# Altium PCB STM32.PcbDoc (part 1 of 2)
Units mil, origin at the board's own origin, x right, y up, seen from the top; angles counter-clockwise.
Board outline 3937.01 x 3937.01 mil, 2 copper layers (TOP, BOTTOM); 127 components, 126 nets, 543 pads, 253 vias.
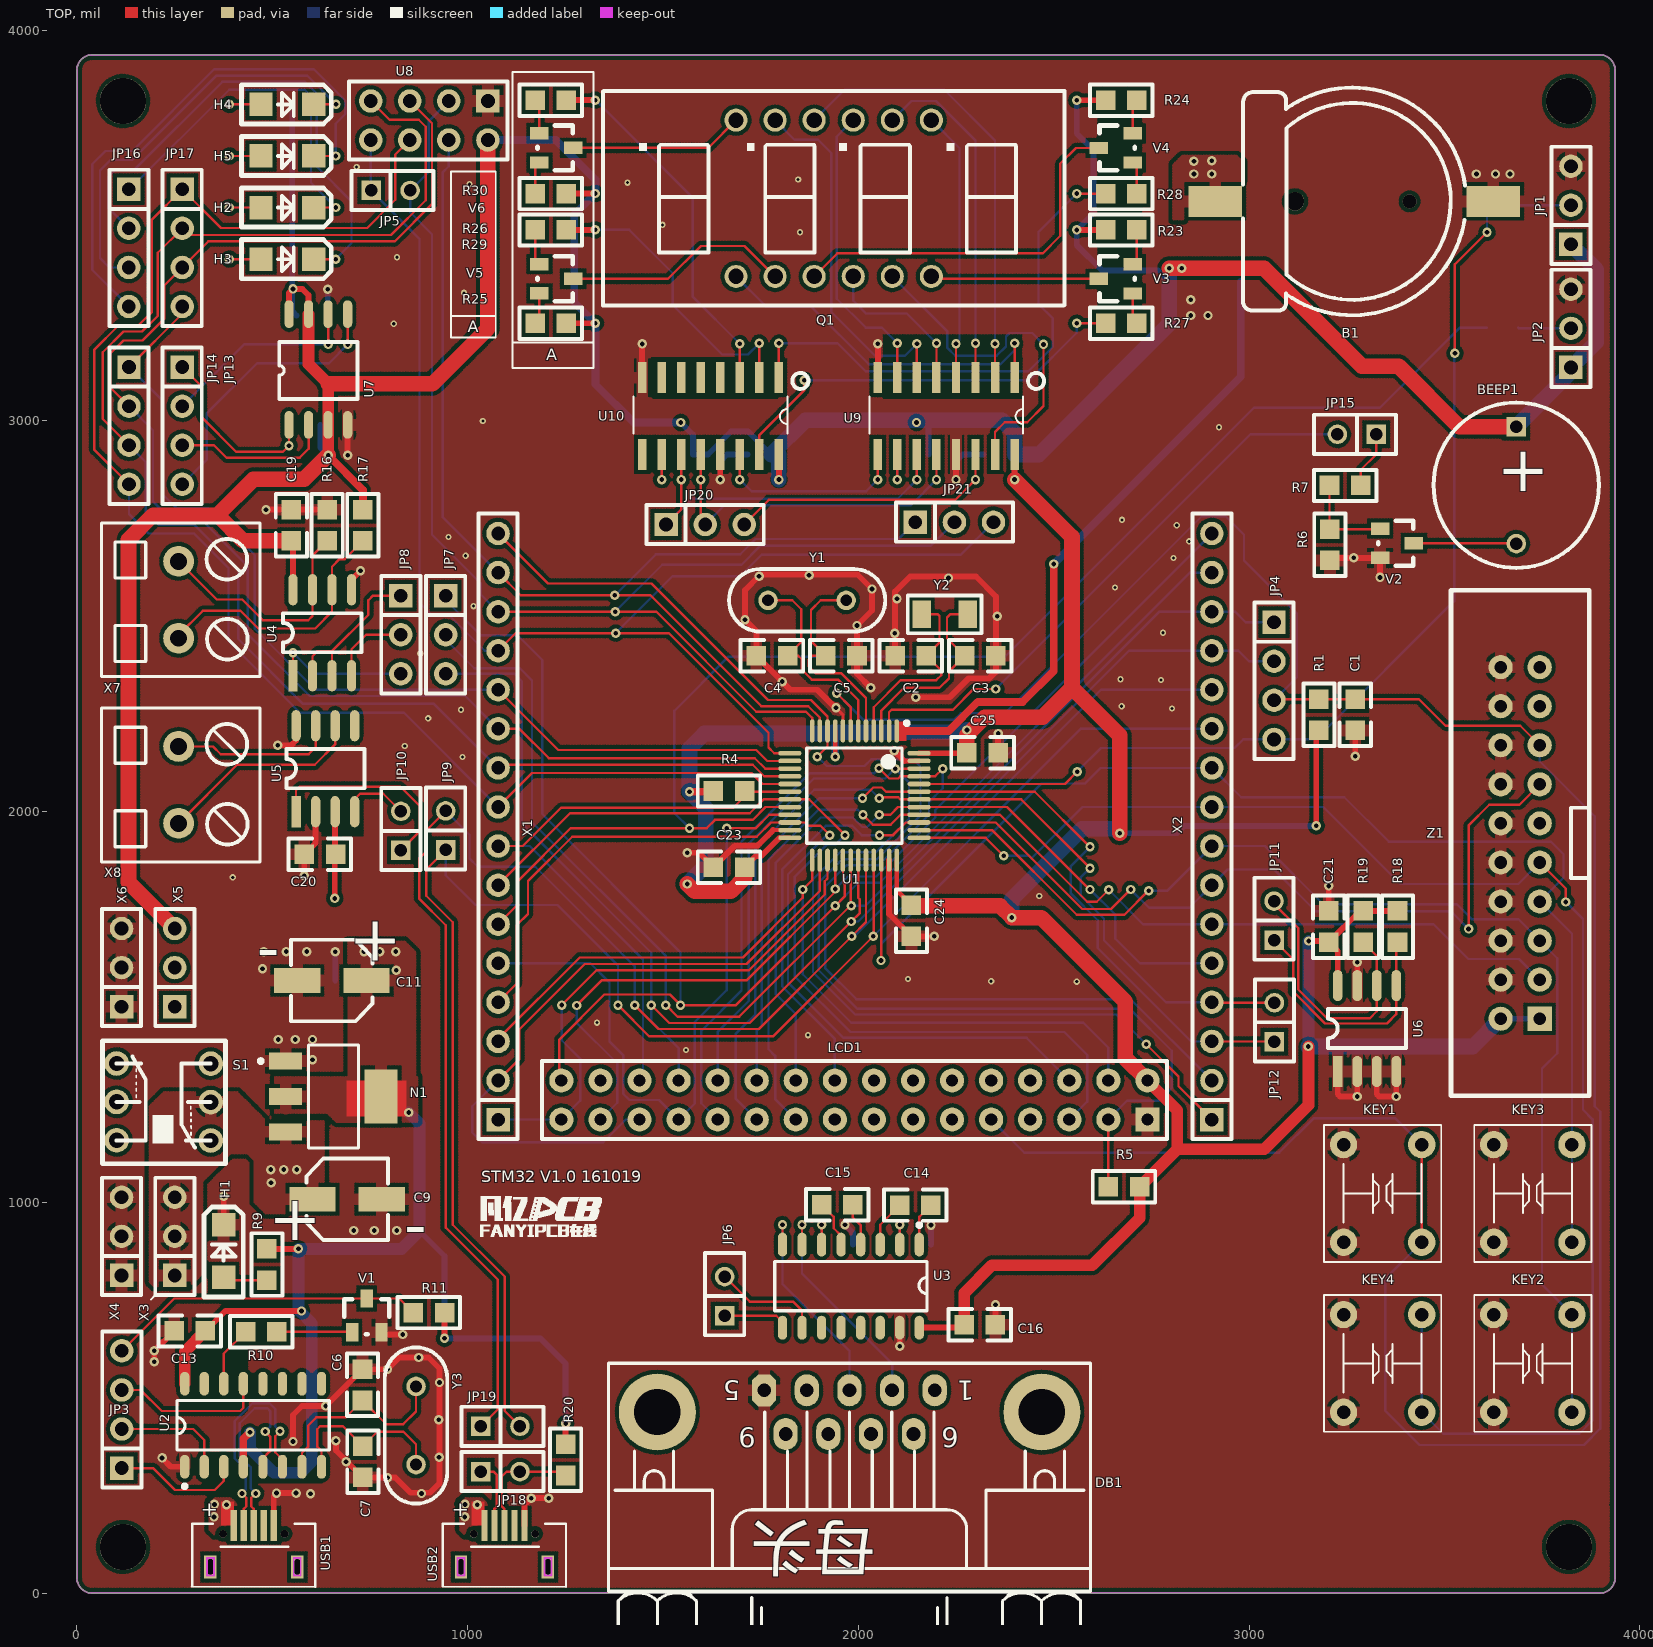
[diagram p0: TOP view]
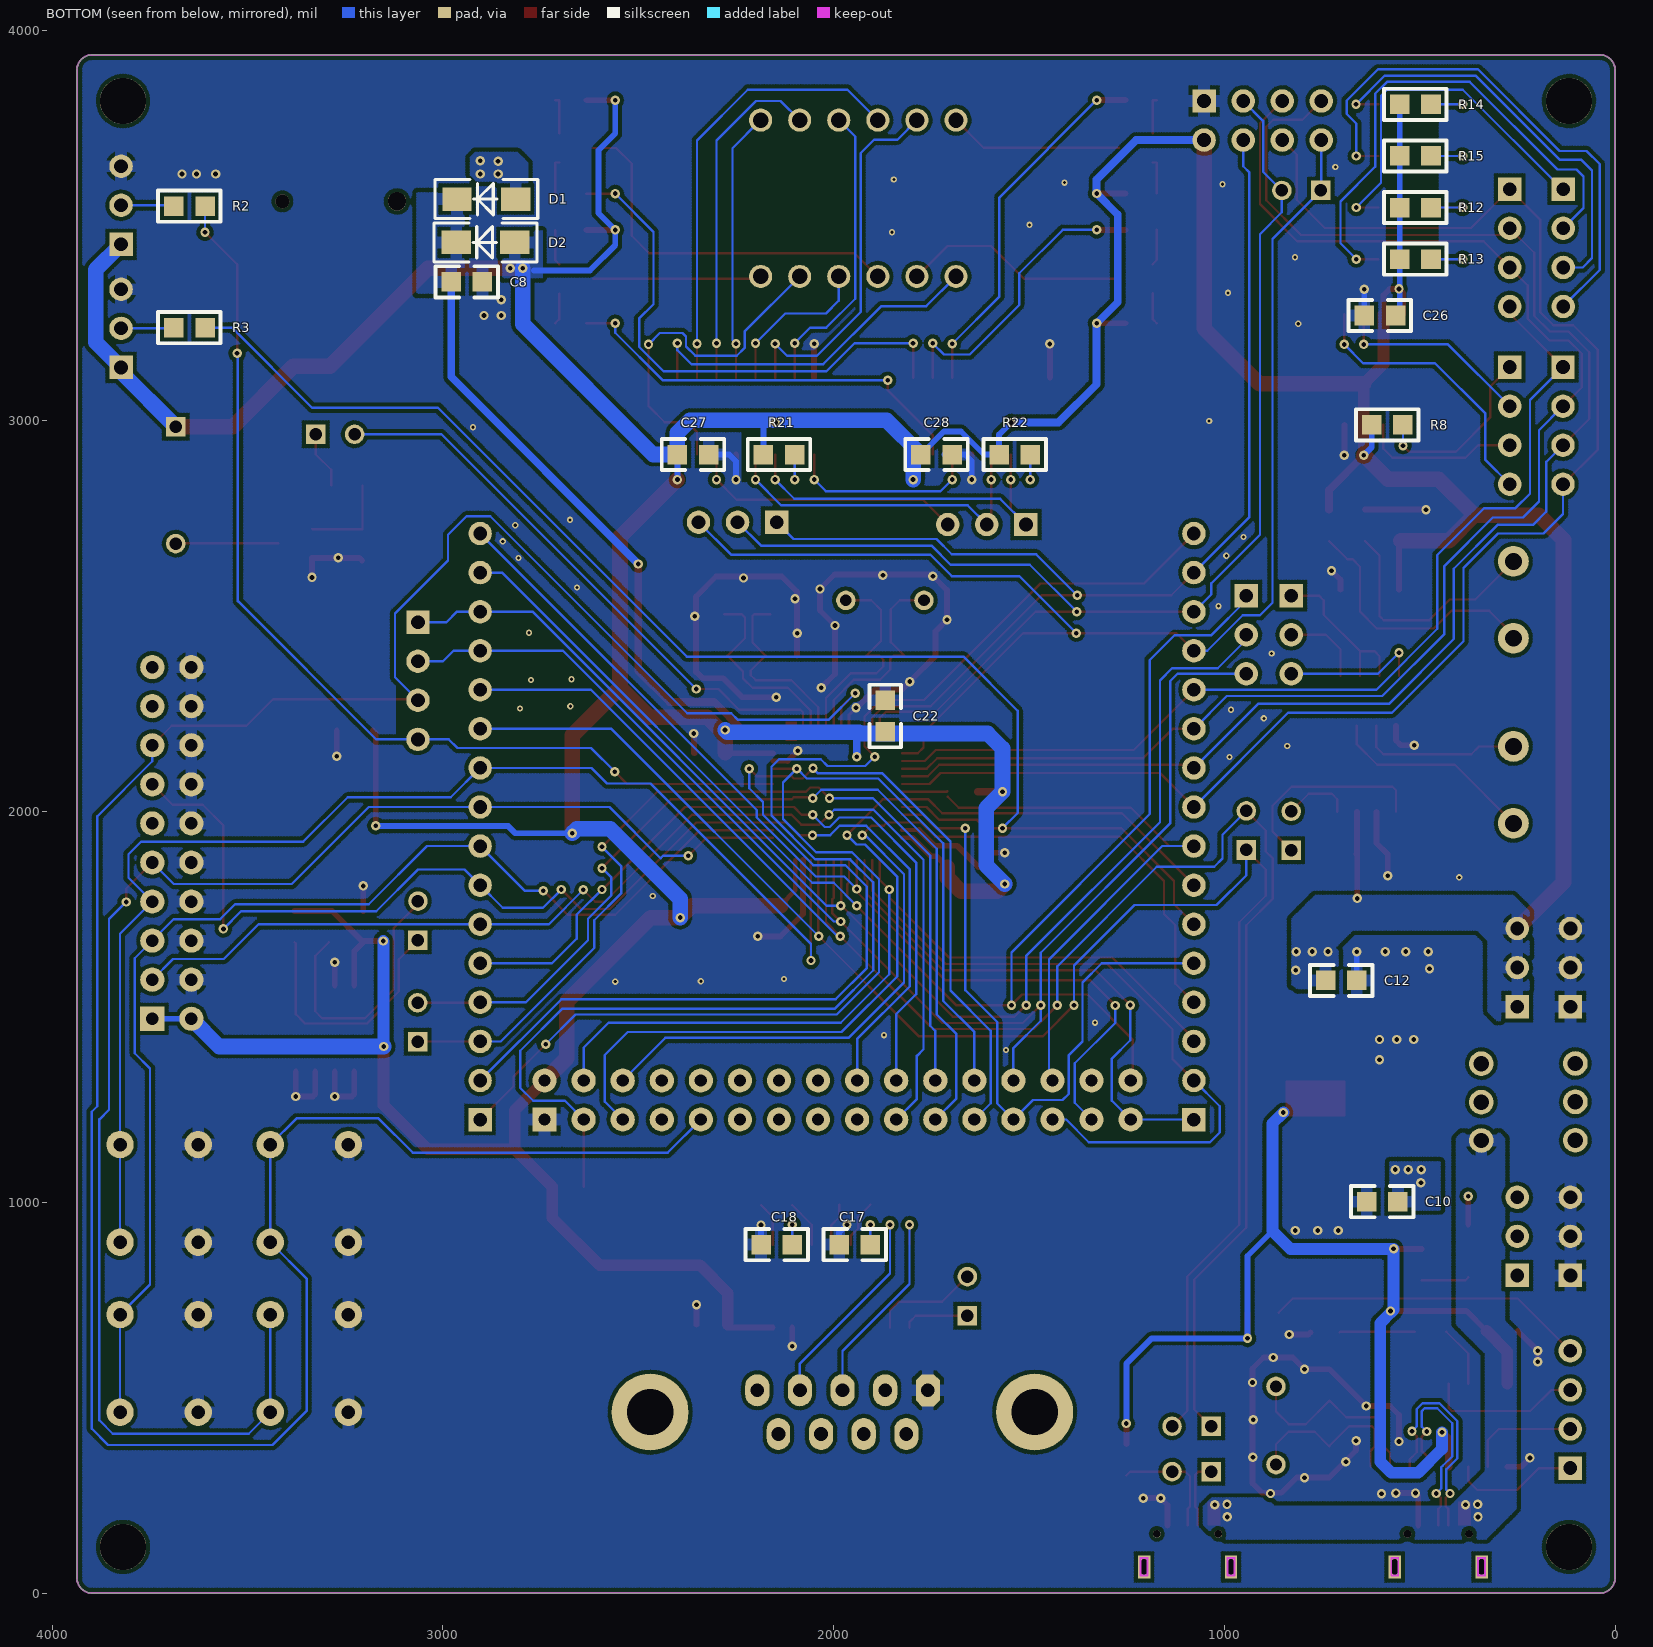
[diagram p1: BOTTOM view, seen from below]

## Layer stack, top to bottom
Top Solder: solder mask 0.4, Solder Resist, Dk 3.5
TOP: signal copper 1.4
Dielectric1: dielectric 12.6, FR-4, Dk 4.8
BOTTOM: signal copper 1.4
Bottom Solder: solder mask 0.4, Solder Resist, Dk 3.5

## Board outline
0,39.37 0,3897.64 cw(c39.37,3897.64) 39.37,3937.01 3897.64,3937.01 cw(c3897.64,3897.64) 3937.01,3897.64 3937.01,39.37 cw(c3897.64,39.37) 3897.64,0 39.37,0 cw(c39.37,39.37)

## Design rules (kind name [scope] priority, off if disabled: settings)
Clearance POLY [InPolygon] p1: gap=10
Clearance VIA-POLY [ISVIA vs InPolygon] p2: gap=6
Clearance all [All] p3: gap=6
DiffPairsRouting DiffPair_90DiffPairsRouting [InDifferentialPairClass('90OM')] p1: maxlimit=7 minlimit=7 mostfreqgap=7 toplayer_minwidth=15 toplayer_maxwidth=15 toplayer_prefwidth=15 bottomlayer_minwidth=15 bottomlayer_maxwidth=15 bottomlayer_prefwidth=15 maxuncoupledlength=500
MatchedLengths DiffPair_90MatchedLengths [InDifferentialPair ('D_D')] p1: tolerance=1000 checknetsindiffpair=FALSE checkdiffpairvsdiffpair=TRUE checkxsignals=TRUE checkothers=TRUE
PolygonConnect PolygonConnect_1 [ISVIA] p1: connectstyle=Direct reliefconductorwidth=10 reliefentries=4 polygonreliefangle="90 Angle" airgapwidth=10
PolygonConnect [All] p2: connectstyle=Relief reliefconductorwidth=30 reliefentries=4 polygonreliefangle="90 Angle" airgapwidth=10
RoutingVias [All] p1: holewidth=12 width=24 viastyle="Through Hole" minholewidth=12 minwidth=24 maxholewidth=12 maxwidth=24
SilkToSilkClearance [All] p1: silktosilkclearance=2
SilkToSolderMaskClearance [IsPad] p1: minsilkscreentomaskgap=2 clearancetoexposedcopper=TRUE
SolderMaskExpansion [All] p1: expansion=2.5
Width PWR [InNetClass('PWR')] p1: maxlimit=60 minlimit=8 preferedwidth=15
Width [All] p2: maxlimit=6 minlimit=6 preferedwidth=6
27 further rules are at their usual default settings.

## Classes and differential pairs
differential pair class 90OM: D_D USB1
net class PWR: 3V3 5V GND VBAT VUSB
differential pair D_D: +D+ -D-
differential pair USB1: +NetU2_5 -NetU2_6

## Components (designator, comment, footprint, x,y, rotation, side; value= is the part's Value field where it differs from the comment)
B1 "BATTERY" CR1220 2913.7,3562 r0 top locked
BEEP1 "BEEP" SOT12-7.6 3684,2985.21 r270 top locked
C1 "100nF" C0805 3272,2208 r90 top locked
C2 "15pF" C0805 2174.33,2399 r180 top locked
C3 "15pF" C0805 2272,2399 r0 top locked
C4 "22pF" C0805 1819,2399 r180 top locked
C5 "22pF" C0805 1916.67,2399 r0 top locked
C6 "22pF" C0805 731,573 r270 top locked
C7 "22pF" C0805 732,296 r90 top locked
C8 "100nF" C0805 2899,3356 r0 bottom locked
C9 "100uF" CAP5*5_4 603,1008 r0 top locked
C10 "100nF" C0805 555.83,1002 r0 bottom locked
C11 "100uF" CAP5*5_4 741.17,1568 r180 top locked
C12 "100nF" C0805 741.17,1568 r180 bottom locked
C13 "100nF" C0805 249,671 r0 top locked
C14 "100nF" C0805 2106,993 r0 top locked
C15 "100nF" C0805 1906,994 r0 top locked
C16 "100nF" C0805 2271,687 r0 top locked
C17 "100nF" C0805 1906,892 r0 bottom locked
C18 "100nF" C0805 2106,892 r0 bottom locked
C19 "100nF" C0805 549,2693 r90 top locked
C20 "100nF" C0805 582,1891 r0 top locked
C21 "100nF" C0805 3204,1746 r270 top locked
C22 "100nF" C0805 1868,2205 r90 bottom locked
C23 "100nF" C0805 1709,1858 r180 top locked
C24 "100nF" C0805 2136,1761 r270 top locked
C25 "100nF" C0805 2278,2151 r0 top locked
C26 "100nF" C0805 642,3270 r180 bottom locked
C27 "100nF" C0805 2400,2914.15 r180 bottom locked
C28 "100nF" C0805 1776.8,2914.15 r180 bottom locked
D1 "1N5819" 1N4148-T 2814,3568 r0 bottom locked
D2 "1N5819" 1N4148-T 2816,3457 r0 bottom locked
DB1 "DB9M" DB9-M 1944,236 r180 top locked
H1 "发光二极管" LED1206 375.42,808 r90 top locked
H2 "发光二极管" LED1206 471.22,3546.32 r0 top locked
H3 "发光二极管" LED1206 471.22,3414.32 r0 top locked
H4 "发光二极管" LED1206 471.22,3810.32 r0 top locked
H5 "发光二极管" LED1206 471.22,3678.32 r0 top locked
JP1 "JX3" SIP3 3824,3452 r90 top locked
JP2 "JX3" SIP3 3824,3137 r90 top locked
JP3 "JX4" SIP4 115,320 r90 top locked
JP4 "JX4" SIP4 3064,2485 r270 top locked
JP5 "JX2" SIP2 753,3590 r0 top locked
JP6 "JX2" SIP2 1658,710 r90 top locked
JP7 "JX3" SIP3 944,2553 r270 top locked
JP8 "JX3" SIP3 829,2553 r270 top locked
JP9 "JX2" SIP2 944,1902 r90 top locked
JP10 "JX2" SIP2 829,1901 r90 top locked
JP11 "JX2" SIP2 3064,1671 r90 top locked
JP12 "JX2" SIP2 3065,1411 r90 top locked
JP13 "JX4" SIP4 269.61,3138 r270 top locked
JP14 "JX4" SIP4 133.39,3138 r270 top locked
JP15 "JX2" SIP2 3326,2966 r180 top locked
JP16 "JX4" SIP4 133,3593 r270 top locked
JP17 "JX4" SIP4 269.61,3593 r270 top locked
JP18 "JX2" SIP2 1034,311 r0 top locked
JP19 "JX2" SIP2 1034,427 r0 top locked
JP20 "JX3" SIP3 1508,2735 r0 top locked
JP21 "JX3" SIP3 2146,2741 r0 top locked
KEY1 "SW-66B7" SW-66 3242,898 r90 top locked
KEY2 "SW-66B7" SW-66 3626.5,463 r90 top locked
KEY3 "SW-66B7" SW-66 3626.5,898 r90 top locked
KEY4 "SW-66B7" SW-66 3242,463 r90 top locked
LCD1 "TFT32LCD" HEAD16×2 2740,1212 r270 top locked
N1 "AMS1117-3.3V" SOT223 655,1284 r270 top locked
Q1 "LED-4-YANG-36" LED0.36-4 1687,3770 r180 top locked
R1 "10K" R0805 3179,2288 r270 top locked
R2 "10K" R0805 3609,3550 r0 bottom locked
R3 "10K" R0805 3609,3239 r0 bottom locked
R4 "10K" R0805 1629,2053 r0 top locked
R5 "10K" R0805 2640,1040 r0 top locked
R6 "10K" R0805 3207,2643 r90 top locked
R7 "4.7K" R0805 3286,2835 r180 top locked
R8 "10K" R0805 543,2990 r0 bottom locked
R9 "1K" R0805 486.43,881 r270 top locked
R10 "4.7K" R0805 432.01,669 r0 top locked
R11 "10K" R0805 861,718 r0 top locked
R12 "1K" R0805 551.22,3546.32 r180 bottom locked
R13 "1K" R0805 551.22,3414.32 r180 bottom locked
R14 "1K" R0805 551.22,3810.32 r180 bottom locked
R15 "1K" R0805 551.22,3678.32 r180 bottom locked
R16 "1K" R0805 640.5,2693 r90 top locked
R17 "1K" R0805 732,2693 r90 top locked
R18 "4.7K" R0805 3380,1666 r90 top locked
R19 "4.7K" R0805 3292,1666 r90 top locked
R20 "1K" R0805 1251,301 r90 top locked
R21 "10K" R0805 2180,2914.15 r180 bottom locked
R22 "10K" R0805 1576.8,2914.15 r180 bottom locked
R23 "120" R0805 2713,3489 r180 top locked
R24 "120" R0805 2713,3821 r180 top locked
R25 "120" R0805 1173,3250 r0 top locked
R26 "120" R0805 1173,3582 r0 top locked
R27 "4.7K" R0805 2633,3250 r0 top locked
R28 "4.7K" R0805 2633,3582 r0 top locked
R29 "4.7K" R0805 1253,3489 r180 top locked
R30 "4.7K" R0805 1253,3821 r180 top locked
S1 "SWITCH-6" SW-AJ 222,1257 r180 top locked
U1 "STM32F103C8T6" LQFP48 2098.43,2206.71 r270 top locked
U2 "CH340G" SOIC16 276,323.4 r90 top locked
U3 "SP3232E" SOIC16 2156,892 r270 top locked
U4 "SP3485" SO-8 553,2572.41 r90 top locked
U5 "CAN-PCA82C250" SO-8 561,2224.41 r90 top locked
U6 "AT24C02" SO-8 3227,1559.41 r90 top locked
U7 "W25Q80BL" W25Q-SO8 543,2990 r90 top locked
U8 "NRF24L01" NRF24L01 1052,3819 r180 top locked
U9 "74HC595" SO-16 2225,3012.57 r180 top locked
U10 "74HC595" SO-16 1621.8,3012.57 r180 top locked
USB1 "MicroUSB" MicroUSB1 401.6,173.3 r0 top locked
USB2 "MicroUSB" MicroUSB1 1043.04,173.3 r0 top locked
V1 "S8050" SOT23-C1 779.4,667.39 r0 top locked
V2 "S8050" SOT23-C1 3335.39,2649.6 r270 top locked
V3 "S8550" SOT23-C1 2702.24,3401.2 r90 top locked
V4 "S8550" SOT23-C1 2702.24,3736.2 r90 top locked
V5 "S8550" SOT23-C1 1183.76,3326.6 r270 top locked
V6 "S8550" SOT23-C1 1183.76,3661.6 r270 top locked
X1 "JX16" SIP16 1078,1212 r90 top locked
X2 "JX16" SIP16 2905,1212 r90 top locked
X3 "JX3" SIP3 250.61,813 r90 top locked
X4 "JX3" SIP3 114.39,813 r90 top locked
X5 "JX3" SIP3 250.61,1501 r90 top locked
X6 "JX3" SIP3 114.39,1501 r90 top locked
X7 "JX2" WJ128-5.0-2P 260.17,2444 r90 top locked
X8 "JX2" WJ128-5.0-2P 260.17,1970.15 r90 top locked
Y1 "8M" JZ-AX 1969,2541 r180 top locked
Y2 "32.768K" FC135 2222.87,2504.61 r180 top locked
Y3 "12M" JZ-AX 868,529 r270 top locked
Z1 "HEADER 10X2" JTAG 3744,1470 r90 top locked

## Footprints (in the part's own frame and the unit in brackets; to place one, negate y for a bottom-side part, rotate by r counter-clockwise, add the part's x,y. Pads: shape width x height; smd on the part's side, far side on the other; paste and mask are expansions set on the pad)
1N4148-T [mil]
  rect 75x60 smd: 1(0,0) 2(150,0)
  silkscreen extent -56,-50 206,50
C0805 [mil]
  rect 50x50 smd: 1(0,0) 2(80,0)
  silkscreen extent -40,-40 120,40, body extent 1,-24 79,25, height 31
CAP5*5_4 [mm]
  rect 3x1.6 smd: 1(0,0) 2(4.5,0)
  silkscreen extent -0.4,-2.65 4.9,2.65, body extent -0.77,-2.67 5.13,2.63, height 5.41
CR1220 [mm]
  rect 3.5x2 smd: 1(0,0) 2(18.067,0)
  round 1.2 hole 1.2: 3(5.181,0)
  round 0.9 hole 0.9: 4(12.631,0)
  silkscreen extent 1.81,-7.4 16.24,7.4
DB9-M [mil] "ĸͷ"
  oval 62x82 hole 35: 1(-251.63,-283.07) 2(-142.46,-283.07) 3(-33.29,-283.07) 4(75.87,-283.07) 7(-88.29,-171.4) 8(20.87,-171.4) 9(130.04,-171.4)
  oct 62x82 hole 35: 5(185.04,-283.07)
  oval 60x82 hole 35: 6(-197.46,-171.4)
  round 196.67 hole 118.33: BO1(-525.79,-227.24) BO2(458.37,-227.24)
  silkscreen extent -650,-352 583,473
FC135 [mm]
  rect 1.2x1.8 smd: 1(-1.451,-0.01) 2(1.549,-0.01)
  silkscreen extent -2.35,-1.23 2.45,1.21, body extent -1.54,-0.74 1.68,0.78, height 0.91
HEAD16×2 [mm]
  rect 1.57x1.57 hole 0.8: 1(0,0)
  round 1.57 hole 0.8: 2(-2.54,0) 3(0,-2.54) 4(-2.54,-2.54) 5(0,-5.08) 6(-2.54,-5.08) 7(0,-7.62) 8(-2.54,-7.62) 9(0,-10.16) 10(-2.54,-10.16) 11(0,-12.7) 12(-2.54,-12.7) 13(0,-15.24) 14(-2.54,-15.24) 15(0,-17.78) 16(-2.54,-17.78) 17(0,-20.32) 18(-2.54,-20.32) 19(0,-22.86) 20(-2.54,-22.86) 21(0,-25.4) 22(-2.54,-25.4) 23(0,-27.94) 24(-2.54,-27.94) 25(0,-30.48) 26(-2.54,-30.48) 27(0,-33.02) 28(-2.54,-33.02) 29(0,-35.56) 30(-2.54,-35.56) 31(0,-38.1) 32(-2.54,-38.1)
  silkscreen extent -3.81,-39.37 1.27,1.27
JTAG [mm] "JTAG-20PIN"
  rect 1.57x1.57 hole 0.82: 1(0,0)
  round 1.57 hole 0.82: 2(0,2.54) 3(2.54,0) 4(2.54,2.54) 5(5.08,0) 6(5.08,2.54) 7(7.62,0) 8(7.62,2.54) 9(10.16,0) 10(10.16,2.54) 11(12.7,0) 12(12.7,2.54) 13(15.24,0) 14(15.24,2.54) 15(17.78,0) 16(17.78,2.54) 17(20.32,0) 18(20.32,2.54) 19(22.86,0) 20(22.86,2.54)
  silkscreen extent -5,-3.23 27.86,5.77, body extent -5,-3.23 27.86,5.77, height 4
JZ-AX [mil]
  round 50 hole 30: 1(0,0) 2(200,0)
  silkscreen extent -100,-80 300,80
LED0.36-4 [mm] "0.36英寸4位数码管共阳"
  round 1.5 hole 1: 1(-12.7,0) 2(-10.16,0) 3(-7.62,0) 4(-5.08,0) 5(-2.54,0) 6(0,0) 7(0,10.16) 8(-2.54,10.16) 9(-5.08,10.16) 10(-7.62,10.16) 11(-10.16,10.16) 12(-12.7,10.16)
  silkscreen extent -21.35,-1.9 8.65,12.06
LED1206 [mil]
  rect 60x60 smd: 1(0,0) 2(135,0)
  silkscreen extent -50,-50 180,50
LQFP48 [mm] "LQFP48-7×7mm-STM32F051C8T6"
  oval 1.5x0.3 smd: 1(0,0) 2(0,-0.5) 3(0,-1) 4(0,-1.5) 5(0,-2) 6(0,-2.5) 7(0,-3) 8(0,-3.5) 9(0,-4) 10(0,-4.5) 11(0,-5) 12(0,-5.5) 25(8.4,-5.5) 26(8.4,-5) 27(8.4,-4.5) 28(8.4,-4) 29(8.4,-3.5) 30(8.4,-3) 31(8.4,-2.5) 32(8.4,-2) 33(8.4,-1.5) 34(8.4,-1) 35(8.4,-0.5) 36(8.4,0)
  oval 0.3x1.5 smd: 13(1.45,-6.95) 14(1.95,-6.95) 15(2.45,-6.95) 16(2.95,-6.95) 17(3.45,-6.95) 18(3.95,-6.95) 19(4.45,-6.95) 20(4.95,-6.95) 21(5.45,-6.95) 22(5.95,-6.95) 23(6.45,-6.95) 24(6.95,-6.95) 37(6.95,1.45) 38(6.45,1.45) 39(5.95,1.45) 40(5.45,1.45) 41(4.95,1.45) 42(4.45,1.45) 43(3.95,1.45) 44(3.45,1.45) 45(2.95,1.45) 46(2.45,1.45) 47(1.95,1.45) 48(1.45,1.45)
  silkscreen extent -0.62,-5.85 7.3,0.78
MicroUSB1 [mm] "MircroUSBĸͷ"
  rect 0.4x2 smd: 1(0,0) 2(0.65,0) 3(1.3,0) 4(1.95,0) 5(2.6,0)
  rect 0.8x1.5 hole 0.4 slot 1 at 90 deg: 6(-1.525,-2.7) 6(4.125,-2.7)
  round 0.5 hole 0.5 unplated: ""(-0.7,-0.55) ""(3.3,-0.55)
  Keep-Out Layer lines w0.127: -1.754,-3.243 -1.296,-3.243 -1.296,-2.125 -1.754,-2.125 -1.754,-3.243 ; 3.896,-3.243 4.354,-3.243 4.354,-2.125 3.896,-2.125 3.896,-3.243
  silkscreen extent -2.75,-4 5.3,0.1
NRF24L01 [mil]
  rect 60x60 hole 35: 1(0,0)
  round 60 hole 35: 2(0,100) 3(100,0) 4(100,100) 5(200,0) 6(200,100) 7(300,0) 8(300,100)
  silkscreen extent -50,-50 355,150
R0805 [mil]
  rect 50x50 smd: 1(0,0) 2(80,0)
  silkscreen extent -40,-40 120,40
SIP2 [mil]
  rect 50x50 hole 32: 1(0,0)
  round 50 hole 32: 2(100,0)
  silkscreen extent -50,-50 160,50
SIP3 [mil]
  rect 60x60 hole 35: 1(0,0)
  round 60 hole 35: 2(100,0) 3(200,0)
  silkscreen extent -50,-50 250,50
SIP4 [mil]
  rect 60x60 hole 35: 1(0,0)
  round 60 hole 35: 2(100,0) 3(200,0) 4(300,0)
  silkscreen extent -50,-50 350,50
SIP16 [mil]
  rect 60x60 hole 34.65: 1(0,0)
  round 60 hole 34.65: 2(100,0) 3(200,0) 4(300,0) 5(400,0) 6(500,0) 7(600,0) 8(700,0) 9(800,0) 10(900,0) 11(1000,0) 12(1100,0) 13(1200,0) 14(1300,0) 15(1400,0) 16(1500,0)
  silkscreen extent -50,-50 1552,50
SO-8 [mil]
  rect 80x24 smd: 1(-224.41,0)
  oval 80x24 smd: 2(-224.41,-50) 3(-224.41,-100) 4(-224.41,-150) 5(-4.41,-150) 6(-4.41,-100) 7(-4.41,-50) 8(-4.41,0)
  silkscreen extent -164,-175 -64,25
SO-16 [mm]
  rect 0.55x2 smd: 1(-4.445,-2.5) 2(-3.175,-2.5) 3(-1.905,-2.5) 4(-0.635,-2.5) 5(0.635,-2.5) 6(1.905,-2.5) 7(3.175,-2.5) 8(4.445,-2.5) 9(4.445,2.5) 10(3.175,2.5) 11(1.905,2.5) 12(0.635,2.5) 13(-0.635,2.5) 14(-1.905,2.5) 15(-3.175,2.5) 16(-4.445,2.5)
  silkscreen extent -6.37,-2.81 5,1.14, body extent -5.13,-2.87 5.07,3.13, height 1.7
SOIC16 [mm] "SOIC16-39MM"
  oval 1.55x0.6 smd: 1(0,0) 2(0,-1.27) 3(0,-2.54) 4(0,-3.81) 5(0,-5.08) 6(0,-6.35) 7(0,-7.62) 8(0,-8.89) 9(5.4,-8.89) 10(5.4,-7.62) 11(5.4,-6.35) 12(5.4,-5.08) 13(5.4,-3.81) 14(5.4,-2.54) 15(5.4,-1.27) 16(5.4,0)
  silkscreen extent -1.39,-9.4 4.3,0.51
SOT12-7.6 [mil] "有源蜂鸣器外径12间距7.6mm"
  rect 50x50 hole 32: 1(0,0)
  round 50 hole 32: 2(299.21,0)
  silkscreen extent -62,-212 361,212
SOT23-C1 [mm]
  rect 0.8x1.2 smd: B(-1.9,0) C(-0.95,2.2) E(0,0)
  silkscreen extent -2.41,-0.13 0.51,2.16
SOT223 [mm] "AMS1117-3.3V"
  rect 1.1x2.15 smd: 1(-1.973,-3.064) 2(0.327,-3.064) 3(2.627,-3.064)
  rect 3.5x2.15 smd: 4(0.327,3.136)
  silkscreen extent -3.02,-4.81 3.68,1.66
SW-66 [mil] "6×6轻触开关"
  round 70 hole 34.65: 1(0,0) 2(0,-200) 3(250,0) 4(250,-200)
  silkscreen extent -50,-250 300,50
SW-AJ [mm]
  round 1.6 hole 1: 1(-3.057,-2.494) 2(-3.057,2.505) 3(-3.057,0.006) 4(3.057,-2.505) 5(3.057,2.494) 6(3.057,-0.005)
  silkscreen extent -4.02,-4 3.98,4.01
W25Q-SO8 [mm]
  oval 1.8x0.6 smd: 1(0,0) 2(0,-1.27) 3(0,-2.54) 4(0,-3.81) 5(7.2,-3.81) 6(7.2,-2.54) 7(7.2,-1.27) 8(7.2,0)
  silkscreen extent 1.69,-4.44 5.4,0.64, body extent -0.45,-4.63 7.65,0.83, height 1.75
WJ128-5.0-2P [mm]
  round 2 hole 1.1: 1(5,0) 2(0,0)
  silkscreen extent -2.5,-5.3 7.5,5

## Part data
C1 C2 C3 C4 C5 C6 C7 C8 C10 C12 C13 C14 C15 C16 C17 C18 C19 C20 C21 C22 C23 C24 C25 C26 C27 C28: library part 普通贴片电容, "Capacitor"
C9 C11: library part 极性电容器
D1 D2: library part 贴片二极管, "Diode 1N series"
DB1 USB1 USB2: "ĸͷ"
JP1 JP2 JP3 JP4 JP5 JP6 JP7 JP8 JP9 JP10 JP11 JP12 JP13 JP14 JP15 JP16 JP17 JP18 JP19 JP20 JP21 X3 X4 X5 X6 X7 X8: "Connector"
R1 R2 R3 R8 R9 R10 R11 R12 R13 R14 R15 R16 R17 R18 R19 R20 R21 R22: library part 普通贴片电阻
R4 R5 R6 R7 R23 R24 R25 R26: library part RES
R27 R28 R29 R30: library part RES2
U3: "SP3232EEN-L/TR;SOIC-39MM"
U4: library part MAX3082
U9 U10: "串入并出移位寄存器"
V1 V2: library part NPN三极管, "V"
V3 V4 V5 V6: library part PNP三极管, "V"
Y1 Y2 Y3: library part CRYSTAL, "Crystal"

## Free pads (board coordinates)
  round 118.11 hole 118.11 unplated: 0(118.11,118.11) 0(118.11,3818.9) 0(3818.9,118.11) 0(3818.9,3818.9)

## Via types
v1: diameter 24, hole 12, TOP to BOTTOM, tented both sides, 215 vias
v2: diameter 16, hole 8, TOP to BOTTOM, tented both sides, 37 vias
v3: diameter 50, hole 28, TOP to BOTTOM, 1 vias

## Nets (pads, with @x,y where several pads share a name; then routed paths per layer and width w, separated by ;. In a path a pad name is that pad's centre, name@x,y a point inside that pad or via, vN(x,y) a via of type N, cw(c..) or ccw(c..) an arc to the next point about the centre after c; other vN are vias at no path point)
3V3: BEEP1.1 C11.1 C12.1 C13.2 C16.1 C19.1 C20.2 C21.2 C22.1 C23.1 C24.1 C25.1 C26.2 C27.1 C28.1 D2.1 JP1.1 JP2.1 LCD1.2 N1.2 N1.4 R1.2 R4.1 R5.2 R8.2 R9.1 R11.2 R12.1 R13.1 R14.1 R15.1 R17.2 R18.2 R19.2 R20.2 R21.1 R22.1 R23.2 R24.2 R25.2 R26.2 U1.9 U1.24 U1.36 U1.48 U2.4 U2.16 U3.16 U4.8 U5.3 U6.8 U7.3 U7.7 U7.8 U8.2 U9.16 U10.16 X5.1 X5.2 X5.3 Z1.1 Z1.2 | length 21567
  TOP w12: U1.24@1798.09,1933.09 U1.24@1824.8,1933.09 ; v1(1940.94,2140.94) U1.9@1940.94,2206.71 ; U1.36@2098.43,1876 2098.43,1798.57 C24.1@2136,1761
  TOP w15: C13.2@329,671 380,722 v1(575,722) ; R9.1@495,881 v1(567,881) ; U7.8@543,3273.46 543,3328 v1(553,3338) 577,3338 593,3322 U7.7@593,3273.46 ; C19.1@549,2693 553,2689 U4.8@553,2568 ; v1(660,1778) 660,1889 C20.2@662,1891 661,1892 U5.3@661,2000 ; v1(941,652) R11.2@941,718 ; R20.2@1251,381 v1(1251,434) ; R25.2@1253,3250.2 v1(1327,3250.2) ; R26.2@1253,3582.2 v1(1327,3582.2) ; C23.1@1709,1858 1737,1886 1751,1886 U1.24@1798.09,1933.09 ; v1(1796.8,2850) U10.16@1796.8,2914.15 ; U1.48@2155.51,2149.62 2276.62,2149.62 C25.1@2278,2151 ; U3.16@2156,679.4 2263.4,679.4 C16.1@2271,687 ; v1(2400,2850) U9.16@2400,2914.15 ; v1(2559,3489) R23.2@2633,3489 ; v1(2559,3821) R24.2@2633,3821 ; v1(3153,1669) 3201,1669 C21.2@3204,1666 ; v1(3172,1964) 3172,2201 R1.2@3179,2208 ; U6.8@3227,1555 3227,1643 C21.2@3204,1666 ; R18.2@3380,1746 R19.2@3292,1746 3284,1746 C21.2@3204,1666
  TOP w20: U2.4@426,323.4 426,395 v1(443,412) ; v1(643,2912.54) 732,2823.54 R17.2@732,2773 ; v1(1567.8,2051.2) 1629,2051.2 R4.1@1630.8,2051.2
  TOP w30: U2.16@276,536 276,618 C13.2@329,671 ; U7.7@593,3273.46 593,3145 643,3095 U7.3@643,2990 v1(643,2912.54) ; C16.1@2271,687 2271,768 2342,839 2599,839 2720,960 R5.2@2720,1040 2816,1136 ; LCD1.2@2740,1312 2816,1236 2816,1136 ; v1(3152,1399) 3152,1249 3039,1136 2816,1136
  TOP w40: X5.3@250.61,1701 132,1819.61 132,2696 195,2759 360,2759 ; C19.1@549,2693 426,2693 360,2759 ; v1(643,2912.54) 581.46,2851 452,2851 360,2759 ; 643,3095 910,3095 1052,3237 U8.2@1052,3719 ; v1(1562,1815) 1581,1796 1674,1796 1709,1831 C23.1@1709,1858 ; C24.1@2136,1759 2363,1759 v1(2393,1729) 2468,1729 2683,1514 2683,1369 LCD1.2@2740,1312 ; C25.1@2278,2151 2278,2196 2284.5,2202.5 2324,2242 2472,2242 2547,2317 ; v1(2400,2850) 2547,2703 2547,2317 ; v1(2669,1945) 2669,2195 2547,2317 ; v1(2795.5,3390.75) 2828,3390.75 3038.25,3390.75 3289,3140 3383,3140 3537.79,2985.21 BEEP1.1@3684,2985.21
  BOTTOM w15: R14.1@551.22,3810.32 R15.1@551.22,3678.32 R12.1@551.22,3546.32 R13.1@551.22,3414.32 551.22,3338 551.22,3280.78 C26.2@562,3270 ; R8.2@623,2990 623,2932.54 v1(643,2912.54) ; 877,927 941,863 v1(941,652) 1186,652 1251,587 v1(1251,434) ; v1(1545.8,2996) 1576.8,2965 R22.1@1576.8,2914.15 1615.15,2914.15 1674,2973 1717.95,2973 C28.1@1776.8,2914.15 ; 1932,2200 1940.94,2191.06 ; v1(2149,2996) 2180,2996 R21.1@2180,2914.15 ; v1(2400,2850) C27.1@2400,2914.15 ; v1(2559,3821) 2559,3736 2602,3693 2602,3532 v1(2559,3489) 2559,3450 2624,3385 2767,3385 ; v1(2669,1945) 2815,1945 2833,1963 3171,1963 v1(3172,1964) ; Z1.2@3644,1470 Z1.1@3744,1470
  BOTTOM w20: U8.2@1052,3719 1226,3719 1327,3618 v1(1327,3582.2) 1273,3528.2 1273,3304.2 v1(1327,3250.2) 1327,3094 1425,2996 v1(1545.8,2996) ; v1(1940.94,2140.94) 1940.94,2191.06
  BOTTOM w30: v1(443,412) 443,369 504,308 573,308 601,336 601,691 572.5,719.5 567,725 v1(567,881) 831,881 877,927 877,1202 v1(849,1230) ; v1(3152,1399) 3152,1668 v1(3153,1669)
  BOTTOM w40: v1(1562,1815) 1610,1863 1610,2009 v1(1567.8,2051.2) 1567.8,2161.8 1606,2200 1868,2200 1932,2200 1935,2203 2272,2203 v1(2278,2209) ; C28.1@1776.8,2914.15 1864.65,3002 2149,3002 2368,3002 2400,2970 C27.1@2400,2914.15 2462.15,2914.15 2795.5,3247.5 v1(2795.5,3390.75) ; v1(1796.8,2850) C28.1@1796.8,2914.15 ; v1(2393,1729) 2393,1777 2572,1956 2658,1956 v1(2669,1945) ; v1(3152,1399) 3573,1399 Z1.2@3644,1470 ; BEEP1.1@3684,2985.21 3824,3125.21 JP2.1@3824,3137 3889,3202 3889,3387 JP1.1@3824,3452
  other v1: 817,1594 735,1642 775.5,1642 816,1642 2828,3391
5V: C9.1 C10.1 N1.3 S1.3 X3.1 X3.2 X3.3
  other v1: 497,1050 496,1084 529.5,1084 563,1084
A: Q1.11 U9.15 | length 913.5
  TOP w6: U9.15@2350,2914.15 2350,2972 2374.57,2996.57 2432.43,2996.57 2474,3038.15 v1(2474,3196)
  BOTTOM w6: Q1.11@2087,3370 2228,3229 2228,3187 2248,3167 2354,3167 2378,3191 2378,3216 2387,3225 2445,3225 v1(2474,3196)
AT_SCL: JP11.2 R19.1 U6.6 | length 682.3
  TOP w6: JP11.2@3064,1771 3064,1764 3126,1702 3126,1545 3200,1471 3309,1471 3327,1489 U6.6@3327,1555 3327,1631 R19.1@3292,1666
AT_SDA: JP11.1 R18.1 U6.5 | length 644.7
  TOP w6: JP11.1@3064,1671 3113,1622 3113,1539.62 3194.62,1458 3353,1458 3377,1482 U6.5@3377,1555 3377,1663 R18.1@3380,1666
B: Q1.7 U9.1 | length 927.5
  TOP w6: U9.1@2400,3111 v1(2400,3199.2)
  BOTTOM w6: Q1.7@1687,3370 1763,3294 1878,3294 2027,3145 2364,3145 2400,3181 v1(2400,3199.2)
BEEP: JP15.2 U1.2 | length 1489.9
  TOP w6: U1.2@2078.74,2206.71 2078.74,2254.74 2085,2261 2242,2261 2295,2314 v1(2352,2314)
  BOTTOM w6: v1(2352,2314) 3004,2966 JP15.2@3226,2966
BOOT0: JP4.4 R2.1 U1.44 | length 2609.2
  TOP w6: U1.44@2155.51,2070.88 2528.88,2070.88 v1(2560,2102) ; v1(3527,3173) 3527,3401 v1(3609,3483)
  BOTTOM w6: v1(2560,2102) 2621,2163 2963,2163 2985,2185 JP4.4@3064,2185 3171,2185 3525,2539 3525,3171 v1(3527,3173) ; v1(3609,3483) R2.1@3609,3550
BOOT1: R3.1 U1.20 X1.6 | length 3708.6
  TOP w6: X1.6@1078,1712 1129,1763 1129,1823 1264,1958 v1(1567.8,1958) 1612,1958 1633,1979 1730,1979 1762.83,2011.83 U1.20@1824.8,2011.83
  BOTTOM w6: v1(1567.8,1958) 1529,1996.8 1529,2258 1668,2397 2376,2397 3013,3034 3335,3034 3540,3239 R3.1@3609,3239
C: Q1.4 U9.2 | length 1156.2
  TOP w6: U9.2@2350,3111 v1(2350,3197.8)
  BOTTOM w6: Q1.4@1887,3770 1965,3848 2220,3848 2350,3718 v1(2350,3197.8)
CANRXD: JP9.2 JP19.1 U1.32 X2.12 | length 4560.1
  TOP w6: JP9.2@944,2002 894,1952 894,1898 876,1880 876,1777.54 944,1709.54 944,935.54 1077,802.54 1077,470 JP19.1@1034,427 ; v1(1427.5,1505) 1488.5,1444 1746,1444 v1(1983,1681) 2019.69,1717.68 U1.32@2019.69,1876
  BOTTOM w6: JP9.2@944,2002 1005,1941 1005,1880 1026,1859 1173,1859 1427.5,1604.5 v1(1427.5,1505) ; v1(1983,1681) 1990,1681 2621,2312 X2.12@2905,2312
CANTXD: JP9.1 JP19.2 U1.33 X2.11 | length 4372.5
  TOP w6: JP9.1@944,1902 894,1852 894,1785 962,1717 962,943 1095,810 1095,466 JP19.2@1134,427 ; v1(1385,1505) 1465,1425 1782,1425 v1(2038,1681) 2039.37,1682.37 U1.33@2039.37,1876
  BOTTOM w6: JP9.1@944,1902 944,1837 1020,1761 1230,1761 1385,1606 v1(1385,1505) ; v1(2038,1681) 2569,2212 X2.11@2905,2212
CH340_BOOT0: JP3.4 R11.1 V1.C | length 816.4
  TOP w6: JP3.4@115,620 249,754 V1.C@742,754 825,754 R11.1@861,718
CH340_RESET: JP3.3 U2.13 | length 398.7
  TOP w6: JP3.3@115,520 163,520 217,466 418,466 426,474 U2.13@426,536
CH340_RXD: JP3.1 U2.3 | length 330.1
  TOP w6: JP3.1@115,320 195,320 251,264 353,264 376,287 U2.3@376,323.4
CH340_TXD: JP3.2 U2.2 | length 291.2
  TOP w6: JP3.2@115,420 298,420 326,392 U2.2@326,323.4
CH340_XI: C6.2 U2.7 Y3.1 | length 517.7
  TOP w6: U2.7@576,323.4 576,359 592,375 592,429 613,450 688,450 C6.2@731,493 792,432 835,432 868,465 Y3.1@868,529
CH340_XO: C7.2 U2.8 Y3.2 | length 458.5
  TOP w6: U2.8@626,323.4 626,364 615,375 615,419.47 622.53,427 681,427 C7.2@732,376 769,413 836,413 868,381 Y3.2@868,329
D: Q1.2 U9.3 | length 882.1
  TOP w6: U9.3@2300,3111 v1(2300,3199.2)
  BOTTOM w6: Q1.2@2087,3770 2136,3819 2199,3819 2300,3718 v1(2300,3199.2)
D+: JP18.2 R20.1 USB2.3 | length 300.5
  TOP w6: USB2.3@1094.22,173.3 1094.22,215.67 1087.93,221.96 1087.93,298.93 1100,311 JP18.2@1134,311 1241,311 R20.1@1251,301
D-: JP18.1 USB2.2 | length 176
  TOP w6: JP18.1@1034,311 1066,311 1074.93,302.07 1074.93,221.96 1068.63,215.67 USB2.2@1068.63,173.3
DAT2: U9.9 U10.14 | length 506.4
  TOP w6: v1(1696.8,2850) U10.14@1696.8,2914.15 ; v1(2050,2850) U9.9@2050,2914.15
  BOTTOM w6: v1(1696.8,2850) 1726.8,2820 2020,2820 v1(2050,2850)
DP: Q1.3 U9.7 | length 764.7
  TOP w6: U9.7@2100,3111 v1(2100,3199.2)
  BOTTOM w6: Q1.3@1987,3770 1945,3728 1945,3313 2019,3239 2060.2,3239 v1(2100,3199.2)
E: Q1.1 U9.4 | length 692.6
  TOP w6: U9.4@2250,3111 v1(2250,3197.8)
  BOTTOM w6: Q1.1@2187,3770 2259,3698 2259,3206.8 v1(2250,3197.8)
F: Q1.10 U9.5 | length 408.3
  TOP w6: U9.5@2200,3111 v1(2200,3199.2)
  BOTTOM w6: Q1.10@1987,3370 1987,3308 2020,3275 2124.2,3275 v1(2200,3199.2)
G: Q1.5 U9.6 | length 950.7
  TOP w6: U9.6@2150,3111 v1(2150,3197.8)
  BOTTOM w6: Q1.5@1787,3770 1837,3720 1897,3720 1931,3686 1931,3279 2043,3167 2119.2,3167 v1(2150,3197.8)
GND: B1.2 C1.1 C2.2 C3.2 C4.2 C5.2 C6.1 C7.1 C8.1 C9.2 C10.2 C11.2 C12.2 C13.1 C16.2 C17.2 C18.2 C19.2 C20.1 C21.1 C22.2 C23.2 C24.2 C25.2 C26.1 C27.2 C28.2 DB1.5 H1.2 JP1.3 JP2.3 KEY1.1 KEY1.3 KEY2.1 KEY2.3 KEY3.1 KEY3.3 KEY4.1 KEY4.3 LCD1.1 N1.1 R6.1 R16.2 U1.8 U1.23 U1.35 U1.47 U2.1 U3.15 U4.5 U5.2 U5.8 U6.1 U6.2 U6.3 U6.4 U6.7 U7.4 U8.1 U9.8 U9.13 U10.8 U10.13 USB1.5 USB2.5 V1.E V2.E X4.1 X4.2 X4.3 X6.1 X6.2 X6.3 Z1.4 Z1.6 Z1.8 Z1.10 Z1.12 Z1.14 Z1.16 Z1.18 Z1.20 | length 6635.2
  TOP w8: v1(1943,2266) 1960.63,2248.37 U1.8@1960.63,2206.71
  TOP w10: 1781.77,1952.77 U1.23@1824.8,1952.77
  TOP w12: 2118.06,2129.94 U1.47@2155.51,2129.94
  TOP w15: v1(198,592) v1(198,620) C13.1@249,671 ; v1(218,346) 240.6,323.4 U2.1@276,323.4 ; H1.2@376,943 v1(376,1016) ; v1(484,2773) C19.2@549,2773 R16.2@640.5,2773 ; USB1.5@503.96,173.3 503.96,248.96 v1(511,256) v1(561,256) ; v1(514,2170) 549,2170 561,2182 U5.8@561,2220 ; v1(553,388) 553,456 576,479 v1(637,479) C6.1@731,573 v1(795,573) 825,603 v1(875,603) 900,603 928,575 v1(928,539) 928,281 904,257 854,257 815,296 C7.1@732,296 663,365 v1(663,390) ; v1(582,1836) C20.1@582,1891 611,1920 U5.2@611,2000 ; v1(693,2912.54) U7.4@693,2990 ; U4.5@703,2568 703,2594 v1(726,2617) ; V1.E@779.4,667.39 784.79,662 v1(834,662) ; USB2.5@1145.4,173.3 1145.4,225.4 v1(1163,243) v1(1208,243) ; U10.8@1446.8,3111 v1(1446.8,3197.2) ; v1(1562,1895) 1592,1895 C23.2@1629,1858 1684,1913 1742,1913 1781.77,1952.77 ; v1(1646.8,2850) U10.13@1646.8,2914.15 ; v1(1943,2266) 1941,2266 1895,2312 1826,2312 v1(1805,2333) C4.2@1739,2399 1739,2462 v1(1710,2491) 1710,2567 v1(1746,2603) 1750,2607 1998,2607 v1(2035,2570) 2035,2515 v1(1996.67,2476.67) C5.2@1996.67,2399 1996.67,2352.33 v1(2032,2317) ; U9.8@2050,3111 v1(2050,3197.8) ; U1.35@2078.74,1876 2078.74,1738.26 C24.2@2136,1681 v1(2194,1681) ; v1(2092,2156) 2118.06,2129.94 ; C2.2@2094.33,2399 2094.33,2563.33 2133,2602 2301,2602 2352,2551 C3.2@2352,2399 2352,2358 2335.5,2341.5 2282.5,2341.5 2234,2293 v1(2147,2293) ; v1(2106,632) U3.15@2106,679.4 ; v1(2250,2850) U9.13@2250,2914.15 ; C16.2@2351,687 v1(2351,738) ; C25.2@2356.62,2149.62 C25.2@2358,2151 v1(2358,2200) ; C21.1@3204,1746 v1(3204,1810) ; R6.1@3207,2643 3213.6,2649.6 v1(3268,2649.6) V2.E@3335.39,2649.6 v1(3335.39,2599.61) ; U6.1@3227,1335 3227,1277 3233,1271 v1(3277,1271) U6.2@3277,1335 ; v1(3272,2142) C1.1@3272,2208 ; U6.7@3277,1555 v1(3277,1615) ; U6.3@3327,1335 3327,1277 3333,1271 v1(3377,1271) U6.4@3377,1335
  BOTTOM w15: C26.1@642,3270 v1(642,3337) ; C12.2@661.17,1568 v1(661.17,1641.83) ; v1(1646.8,2850) 1646.8,2897 1663.95,2914.15 C28.2@1696.8,2914.15 C28.2@1716.8,2914.15 ; v1(1966,943) 1986,923 C17.2@1986,892 ; C18.2@2186,892 v1(2186,942) ; v1(2250,2850) 2250,2897 2267.15,2914.15 C27.2@2320,2914.15
  other v1: 598,254 882,255 795,295 689,336 927,348 926,444 709,928 761,928 819,928 603,1365 515,1417 559,1417 603,1417 475,1598 478,1642 536,1642 588,1642 2093,2457 2356,2500 2099,2545 2231,2598 1874,2605 2851,3270 2895,3270 2851,3310 3582,3632 3631,3632 3668,3632
  other v2: 1559,1390 1871,1428 1331,1460 2559,1565 2340,1566 2127,1572 2463,1784 399,1832 987,2140 839,2168 899,2239 983,2261 2803,2264 2674,2270 2775,2337 2671,2339 879,2405 2780,2458 1015,2526 2657,2574 2807,2649 995,2655 2847,2692 951,2703 2815,2733 2675,2747 2923,2984 1039,3000 811,3249 991,3328 819,3419 1851,3483 1499,3502 1005,3606 1409,3610 1846,3618 716,3650
HC_CLK: JP20.1 U9.11 U10.11 | length 949
  TOP w6: JP20.1@1508,2735 1546.8,2773.8 v1(1546.8,2850) U10.11@1546.8,2914.15 ; v1(2150,2850) U9.11@2150,2914.15
  BOTTOM w6: JP20.1@1508,2735 1574,2801 2101,2801 v1(2150,2850)
HC_DAT: JP20.3 U9.14 | length 703.8
  TOP w6: JP20.3@1708,2735 1771,2798 2248,2798 v1(2300,2850) U9.14@2300,2914.15
HC_RCK: JP20.2 U9.12 U10.12 | length 887.6
  TOP w6: U10.12@1596.8,2914.15 v1(1596.8,2850) 1596.8,2746.2 JP20.2@1608,2735 ; v1(2200,2850) U9.12@2200,2914.15
  BOTTOM w6: JP20.2@1608,2735 1657,2784 2134,2784 v1(2200,2850)
I2C1_SCL: JP12.2 LCD1.21 U1.42 X2.4 | length 2462.6
  TOP w6: v1(2053.75,2034.25) 2056.57,2037.08 2102,2037.08 2107.57,2031.51 U1.42@2155.51,2031.51 2416.99,2031.51 v1(2593,1855.5) ; X2.4@2905,1512 2906,1511 JP12.2@3065,1511
  BOTTOM w6: LCD1.21@1740,1212 1686,1266 1686,1431 1736,1481 1736,1905 1887,2056 2032,2056 v1(2053.75,2034.25) ; v1(2593,1855.5) 2569,1831.5 2569,1786 2629,1726 2629,1671 2788,1512 X2.4@2905,1512